# Altium PCB EDA-03517-V2-0_pcb.pcbdoc (part 1 of 5) (continued)
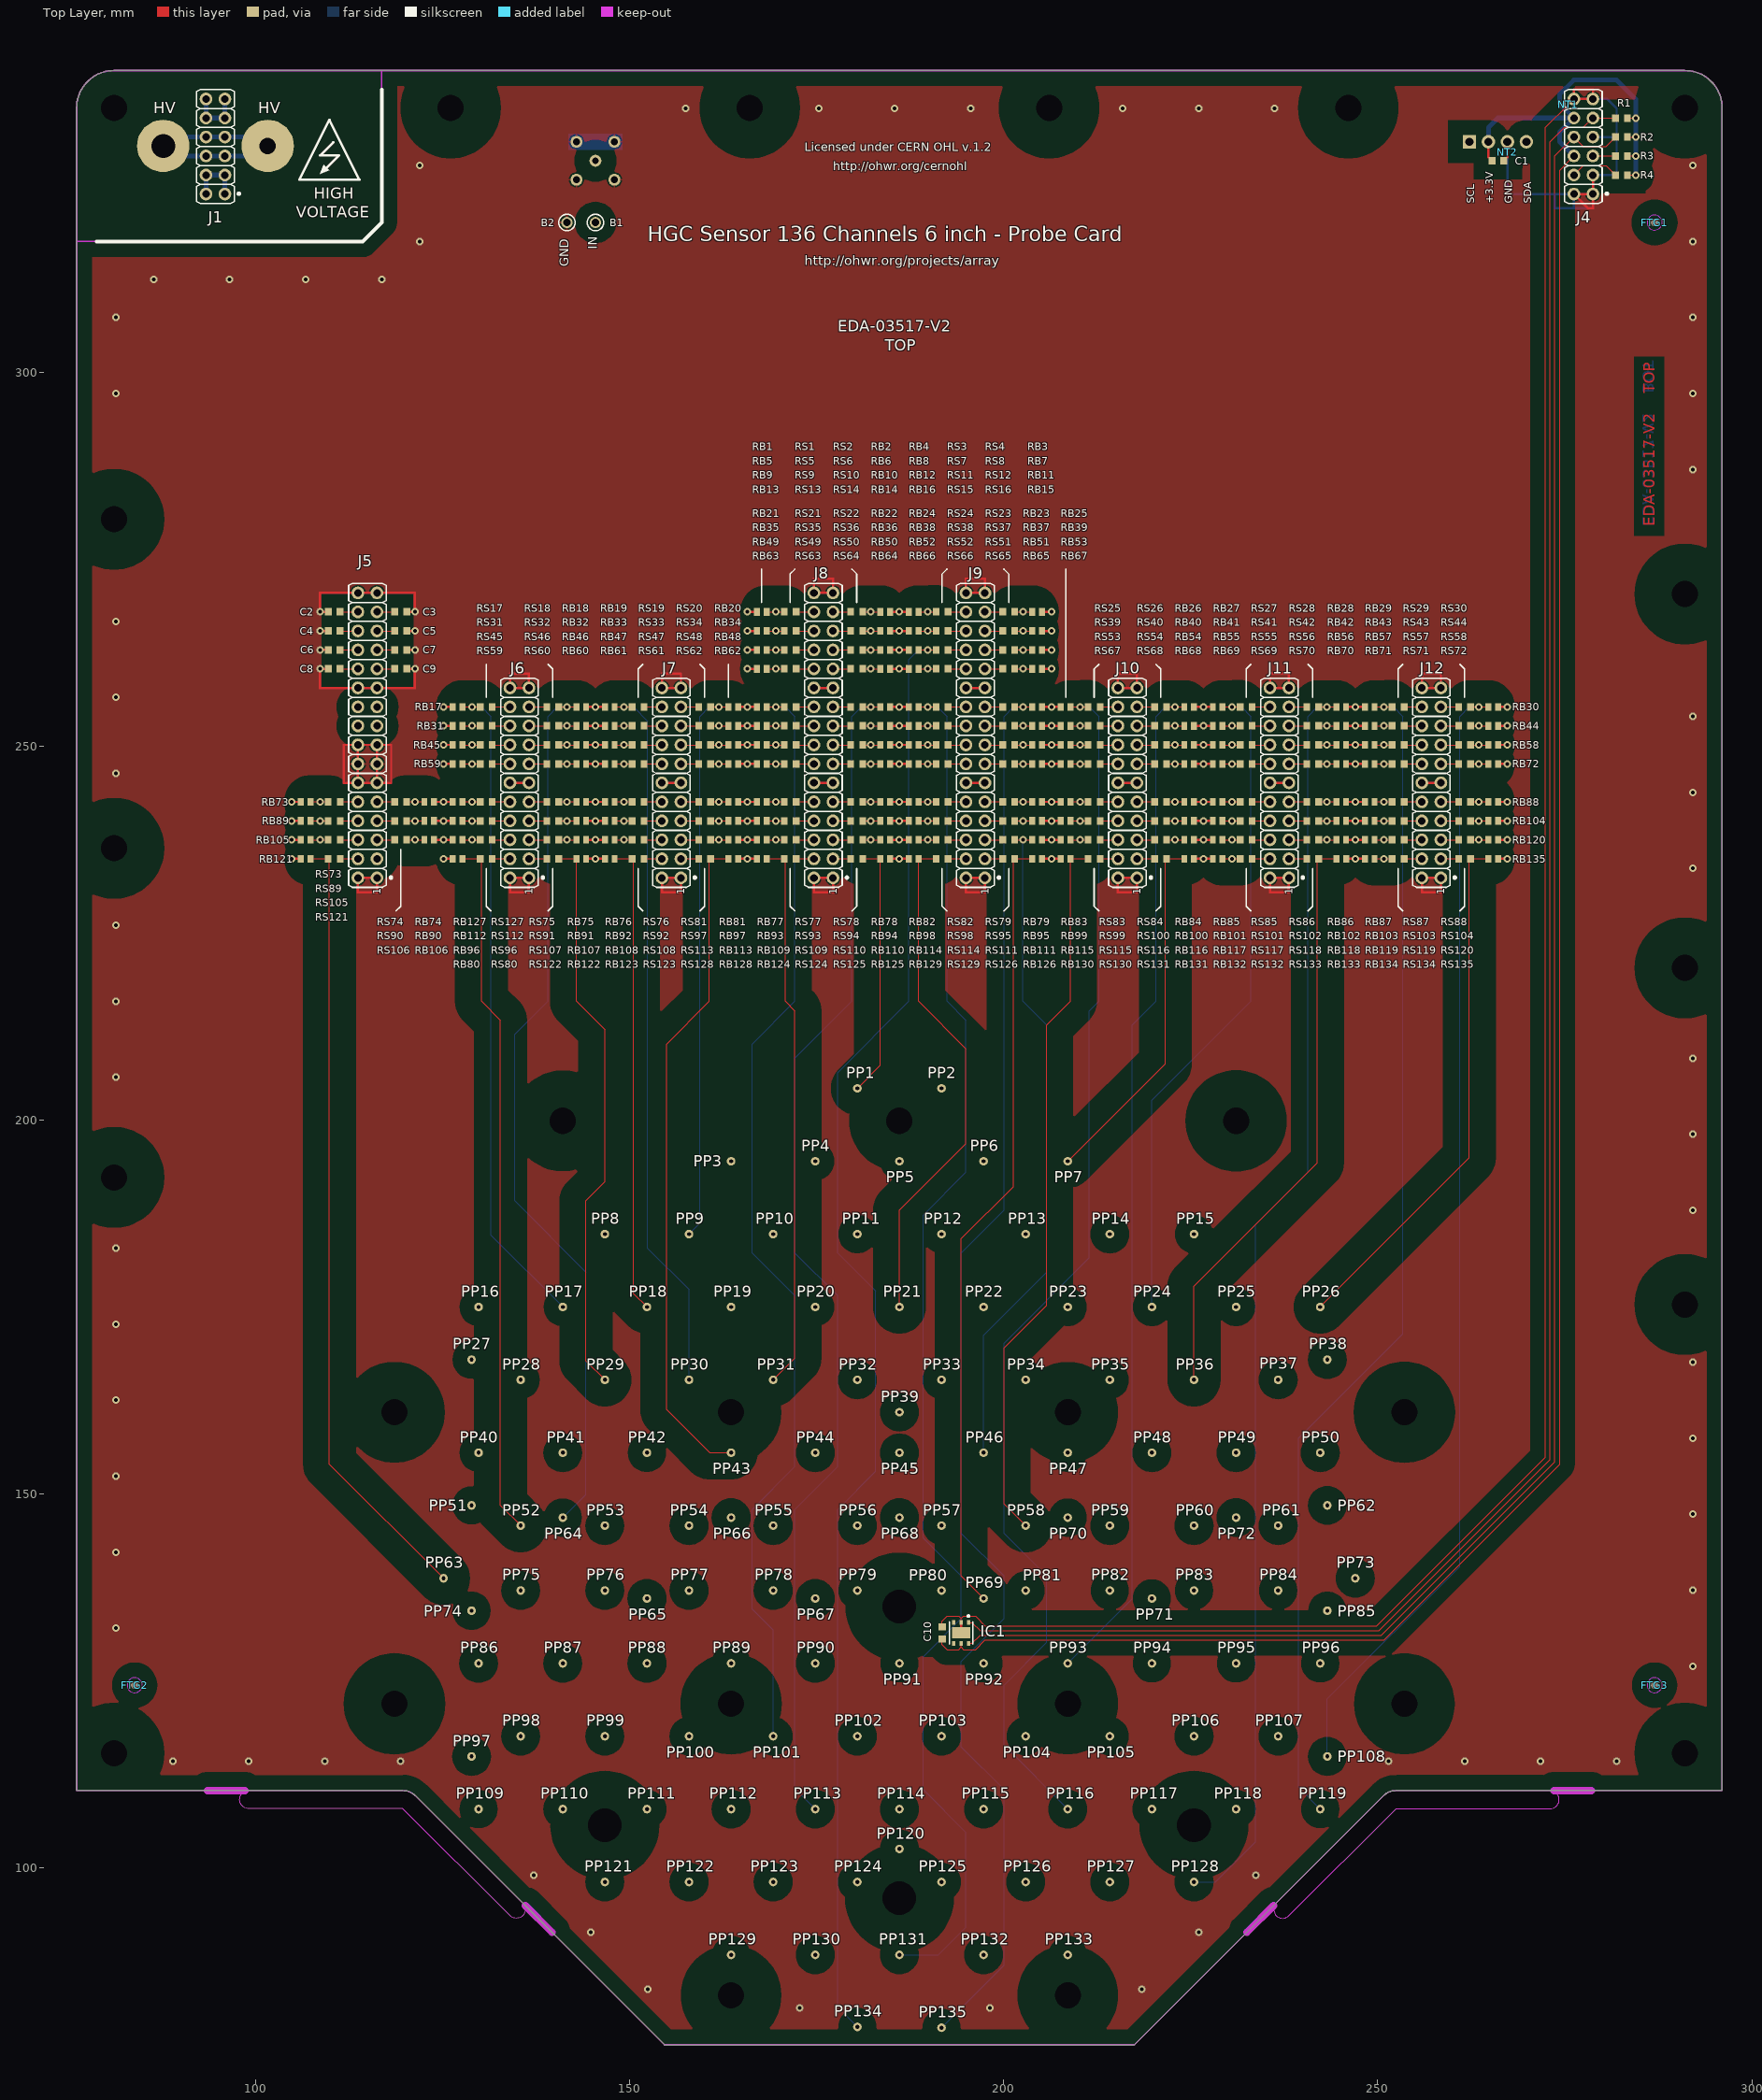
[diagram p0: Top Layer view]
## Design rules (kind name [scope] priority, off if disabled: settings)
BoardOutlineClearance "Via Tenting" [IsVia and ((SolderMaskTentingTop='False') or (SolderMaskTentingBottom='False'))] p1: gap=2500 ignorepadtopadclearanceinfootprint=FALSE
BoardOutlineClearance "Inverted Serig" [((ObjectKind = 'Text') And (IsTextInverted = 'True')) And ((AsMM(InvertedTextBorder) < 0.2) or (AsMM(TextHeight) < 1.5))] p2: gap=2500 ignorepadtopadclearanceinfootprint=FALSE
BoardOutlineClearance "Uncheck Plat" [(PadIsPlated = 'True') And ((HoleDiameter >= PadXSize_AllLayers ) OR (HoleDiameter >= PadYSize_AllLayers))] p3: gap=2500 ignorepadtopadclearanceinfootprint=FALSE
BoardOutlineClearance "Defaut Serig" [(((Layer = 'TopOverlay')  And (StrokeFont = 'Default')) or ((Layer = 'BottomOverlay')  And (StrokeFont = 'Default'))) and not IsTextInverted = 'True'] p4: gap=2500 ignorepadtopadclearanceinfootprint=FALSE
Clearance Clearance_Panel [InPadClass('Panel') vs OnLayer('Keep-Out Layer')] p1: gap=0 ignorepadtopadclearanceinfootprint=FALSE
Clearance Clearance_HV [InNet('HV') vs InNet('GND')] p2: gap=3.5 ignorepadtopadclearanceinfootprint=FALSE // HV <> GND
Clearance Clearance_PolyMount_Ext [InPadClass('Mounting') or InPolygon vs (IsTrack and InNetClass('PP')) and (OnLayer('Top Layer') or OnLayer('Bottom Layer'))] p3: gap=3.5 ignorepadtopadclearanceinfootprint=FALSE except(1: Fill-Text Poly-Text Region-Text) // Poly et Mounting  <> Pistes PP sur Top et Bot
Clearance Clearance_Poly2Mount [InPolygon vs InPadClass('Mounting')] p4: gap=5 ignorepadtopadclearanceinfootprint=FALSE
Clearance Clearance_PolyMount2All [InPadClass('Mounting') or InPolygon] p5: gap=2 ignorepadtopadclearanceinfootprint=FALSE except(1: Fill-Text Poly-Text Region-Text) // Poly et Mounting  <> All
Clearance Clearance_PP_Tracks [(InNetClass('PP') and not (IsSMTPin or isvia)) vs (InNetClass('PP') and not (IsSMTPin or isvia))] p6: gap=1.5 ignorepadtopadclearanceinfootprint=FALSE // Entre Nets PP (uniquement les Tracks)
Clearance Clearance_PP [InNetClass('PP') vs InNetClass('PP')] p7: gap=1.5 ignorepadtopadclearanceinfootprint=FALSE // Entre Nets PP
Clearance Clearance_Mires [OnLayer('Keep-Out Layer') vs HasFootprint('FIDUCIAL_TOP_S100-200')] p8: gap=0 ignorepadtopadclearanceinfootprint=FALSE except(4.9: Arc-SMDPad Track-SMDPad) // Mires to Bord de carte Keep-Out
Clearance [All] p9: gap=0.3 ignorepadtopadclearanceinfootprint=FALSE
ComponentClearance ComponentClearance_Overlapping [InComponentClass('Overlapping') or InComponentClass('NotMounted') vs InComponentClass('Overlapping')] p1: gap=0 collisioncheckmode=3 verticalgap=0 showdistances=FALSE
ComponentClearance [not InComponentClass('Overlapping')] p2: gap=0.2 collisioncheckmode=3 verticalgap=0.2 showdistances=FALSE
DiffPairsRouting [All] p1: maxlimit=0.457 minlimit=0.457 mostfreqgap=0.457 toplayer_minwidth=0.229 toplayer_maxwidth=0.229 toplayer_prefwidth=0.229 midlayer1_minwidth=0.229 midlayer1_maxwidth=0.229 midlayer1_prefwidth=0.229 midlayer2_minwidth=0.229 midlayer2_maxwidth=0.229 midlayer2_prefwidth=0.229 midlayer3_minwidth=0.229 midlayer3_maxwidth=0.229 midlayer3_prefwidth=0.229 midlayer4_minwidth=0.229 midlayer4_maxwidth=0.229 midlayer4_prefwidth=0.229 midlayer5_minwidth=0.229 midlayer5_maxwidth=0.229 midlayer5_prefwidth=0.229 midlayer6_minwidth=0.229 midlayer6_maxwidth=0.229 midlayer6_prefwidth=0.229 bottomlayer_minwidth=0.229 bottomlayer_maxwidth=0.229 bottomlayer_prefwidth=0.229 maxuncoupledlength=2.54
FabricationTestPointUsage TestPointUsage [All] p1: valid=0 allowmultiple=FALSE
FabricationTestpoint Testpoint [All] p1: side=3 testpointundercomponent=TRUE minsize=1.016 maxsize=2.54 preferedsize=1.524 minholesize=0 maxholesize=1.016 preferedholesize=0.813 testpointgrid=0.025 allowsidetop=TRUE allowsidebottom=TRUE usegrid=TRUE gridtolerance=0
Height [All] p1: minheight=0 maxheight=25 prefheight=10
HoleSize [All] p1: absolutevalues=TRUE maxlimit=5 minlimit=0.4 maxpercent=80.000 minpercent=20.000
HoleToHoleClearance [All] p1: gap=0.2 allowstackedmicrovias=TRUE
MinimumSolderMaskSliver [All] p1: minsoldermaskwidth=0.35
PermittedLayers [All] p1: toplayerpermitted=TRUE bottomlayerpermitted=TRUE
PlaneClearance [All] p1: clearance=0.5
PlaneConnect PlaneConnect_Direct [InPadClass('Mounting') or IsVia] p1: planeconnectstyle=Direct reliefexpansion=0.508 reliefentries=4 reliefconductorwidth=0.254 reliefairgap=0.254
PlaneConnect "PlaneConnect_0 > 1" [(AsMM(HoleDiameter)<1)] p2: planeconnectstyle=Relief reliefexpansion=0.3 reliefentries=4 reliefconductorwidth=0.25 reliefairgap=0.2
PlaneConnect "PlaneConnect_1 > 1.5" [(AsMM(HoleDiameter)>=1) and (AsMM(HoleDiameter)<1.5)] p3: planeconnectstyle=Relief reliefexpansion=0.3 reliefentries=4 reliefconductorwidth=0.3 reliefairgap=0.2
PlaneConnect "PlaneConnect_1.5 > 2" [(AsMM(HoleDiameter)>=1.5) and (AsMM(HoleDiameter)<2)] p4: planeconnectstyle=Relief reliefexpansion=0.3 reliefentries=4 reliefconductorwidth=0.4 reliefairgap=0.2
PlaneConnect [All] p5: planeconnectstyle=Relief reliefexpansion=0.3 reliefentries=4 reliefconductorwidth=0.5 reliefairgap=0.2
PolygonConnect PolygonConnect_Direct [InPadClass('Mounting') or IsVia] p1: connectstyle=Direct reliefconductorwidth=0.254 reliefentries=4 polygonreliefangle="90 Angle" airgapwidth=0.254
PolygonConnect "PolygonConnect_0 > 1" [(AsMM(HoleDiameter)<1)] p2: connectstyle=Relief reliefconductorwidth=0.25 reliefentries=4 polygonreliefangle="90 Angle" airgapwidth=0.2
PolygonConnect "PolygonConnect_1 > 1.5" [(AsMM(HoleDiameter)>=1) and (AsMM(HoleDiameter)<1.5)] p3: connectstyle=Relief reliefconductorwidth=0.3 reliefentries=4 polygonreliefangle="90 Angle" airgapwidth=0.2
PolygonConnect "PolygonConnect_1.5 > 2" [(AsMM(HoleDiameter)>=1.5) and (AsMM(HoleDiameter)<2)] p4: connectstyle=Relief reliefconductorwidth=0.4 reliefentries=4 polygonreliefangle="90 Angle" airgapwidth=0.2
PolygonConnect [All] p5: connectstyle=Relief reliefconductorwidth=0.5 reliefentries=4 polygonreliefangle="90 Angle" airgapwidth=0.2
RoomDefinition ProbeCard [InComponentClass('ProbeCard')] p1: confinementstyle=ConfineIn formatcopy=TRUE lockcomponents=FALSE outline 80.645,77.47 290.195,77.47 290.195,348.615 80.645,348.615
RoutingVias RoutingVias_NoNet [Not IsElectrical] p1: holewidth=0 width=0 viastyle="Through Hole" minholewidth=0 minwidth=0 maxholewidth=0 maxwidth=0
RoutingVias [All] p2: holewidth=0.5 width=1 viastyle="Through Hole" minholewidth=0.5 minwidth=1 maxholewidth=0.5 maxwidth=1
ShortCircuit ShortCircuit_NetTie [InNet('GND') vs InNet('VSS')or InNet('CGND')] p1: allowed=TRUE
ShortCircuit [All] p2: allowed=FALSE
SilkToSilkClearance [All] p1: silktosilkclearance=0.2
SilkToSolderMaskClearance SilkToSolderMaskClearanceVias [IsVia vs IsText] p1: minsilkscreentomaskgap=0 clearancetoexposedcopper=TRUE
SilkToSolderMaskClearance SilkscreenOverComponentPads [IsPad] p2: minsilkscreentomaskgap=0.225 clearancetoexposedcopper=TRUE
SolderMaskExpansion [All] p1: expansion=0
ViasUnderSMD [Not HasFootprint('Net Tie')] p1: allowed=FALSE
Width [All] p1: maxlimit=2.54 minlimit=0.152 preferedwidth=0.152
17 further rules are at their usual default settings.

## Classes and differential pairs
pad class Panel: Free-P80NP
pad class Mounting: Free-D350NP Free-P450NP
component class Overlapping: J4
component class NotMounted: NT1 NT2 R1 R2 R3 R4 RB1 RB2 RB3 RB4 RB5 RB6 RB7 RB8 RB9 RB10 RB11 RB12 RB13 RB14 RB15 RB16 RB17 RB18 RB19 RB20 RB21 RB22 RB23 RB24 RB25 RB26 RB27 RB28 RB29 RB30 RB31 RB32 RB33 RB34 RB35 RB36 RB37 RB38 RB39 RB40 RB41 RB42 RB43 RB44 RB45 RB46 RB47 RB48 RB49 RB50 RB51 RB52 RB53 RB54 RB55 RB56 RB57 RB58 RB59 RB60 RB61 RB62 RB63 RB64 RB65 RB66 RB67 RB68 RB69 RB70 RB71 RB72 RB73 RB74 RB75 RB76 RB77 RB78 RB79 RB80 RB81 RB82 RB83 RB84 RB85 RB86 RB87 RB88 RB89 RB90 RB91 RB92 RB93 RB94 RB95 RB96 RB97 RB98 RB99 RB100 RB101 RB102 RB103 RB104 RB105 RB106 RB107 RB108 RB109 RB110 RB111 RB112 RB113 RB114 RB115 RB116 RB117 RB118 RB119 RB120 RB121 RB122 RB123 RB124 RB125 RB126 RB127 RB128 RB129 RB130 RB131 RB132 RB133 RB134 RB135
net class PP: NetPP1_1 NetPP2_1 NetPP3_1 NetPP4_1 NetPP5_1 NetPP6_1 NetPP7_1 NetPP8_1 NetPP9_1 NetPP10_1 NetPP11_1 NetPP12_1 NetPP13_1 NetPP14_1 NetPP15_1 NetPP16_1 NetPP17_1 NetPP18_1 NetPP19_1 NetPP20_1 NetPP21_1 NetPP22_1 NetPP23_1 NetPP24_1 NetPP25_1 NetPP26_1 NetPP27_1 NetPP28_1 NetPP29_1 NetPP30_1 NetPP31_1 NetPP32_1 NetPP33_1 NetPP34_1 NetPP35_1 NetPP36_1 NetPP37_1 NetPP38_1 NetPP39_1 NetPP40_1 NetPP41_1 NetPP42_1 NetPP43_1 NetPP44_1 NetPP45_1 NetPP46_1 NetPP47_1 NetPP48_1 NetPP49_1 NetPP50_1 NetPP51_1 NetPP52_1 NetPP53_1 NetPP54_1 NetPP55_1 NetPP56_1 NetPP57_1 NetPP58_1 NetPP59_1 NetPP60_1 NetPP61_1 NetPP62_1 NetPP63_1 NetPP64_1 NetPP65_1 NetPP66_1 NetPP67_1 NetPP68_1 NetPP69_1 NetPP70_1 NetPP71_1 NetPP72_1 NetPP73_1 NetPP74_1 NetPP75_1 NetPP76_1 NetPP77_1 NetPP78_1 NetPP79_1 NetPP80_1 NetPP81_1 NetPP82_1 NetPP83_1 NetPP84_1 NetPP85_1 NetPP86_1 NetPP87_1 NetPP88_1 NetPP89_1 NetPP90_1 NetPP91_1 NetPP92_1 NetPP93_1 NetPP94_1 NetPP95_1 NetPP96_1 NetPP97_1 NetPP98_1 NetPP99_1 NetPP100_1 NetPP101_1 NetPP102_1 NetPP103_1 NetPP104_1 NetPP105_1 NetPP106_1 NetPP107_1 NetPP108_1 NetPP109_1 NetPP110_1 NetPP111_1 NetPP112_1 NetPP113_1 NetPP114_1 NetPP115_1 NetPP116_1 NetPP117_1 NetPP118_1 NetPP119_1 NetPP120_1 NetPP121_1 NetPP122_1 NetPP123_1 NetPP124_1 NetPP125_1 NetPP126_1 NetPP127_1 NetPP128_1 NetPP129_1 NetPP130_1 NetPP131_1 NetPP132_1 NetPP133_1 NetPP134_1 NetPP135_1

## Components (designator, comment, footprint, x,y, rotation, side; value= is the part's Value field where it differs from the comment)
B1 "IN" c150h100 145.415,320.04 r0 top
B2 "GND" c150h100 141.605,320.04 r0 top
C1 "100nF" CAPC1608X87N 266.065,328.295 r180 top
C2 "1pF" CAPC1608X87N 110.49,267.97 r180 top
C3 "2.2pF" CAPC1608X87N 119.38,267.97 r0 top
C4 "4.7pF" CAPC1608X87N 110.49,265.43 r180 top
C5 "10pF" CAPC1608X87N 119.38,265.43 r0 top
C6 "22pF" CAPC1608X87N 110.49,262.89 r180 top
C7 "47pF" CAPC1608X87N 119.38,262.89 r0 top
C8 "100pF" CAPC1608X87N 110.49,260.35 r180 top
C9 "220pF" CAPC1608X87N 119.38,260.35 r0 top
C10 "100nF" CAPC1608X87N 191.77,131.445 r270 top
FTG1 "Use only in PCB" FIDUCIAL_TOP_C100-200 287.02,320.04 r0 top
FTG2 "Use only in PCB" FIDUCIAL_TOP_C100-200 83.82,124.46 r0 top
FTG3 "Use only in PCB" FIDUCIAL_TOP_C100-200 287.02,124.46 r0 top
IC1 "SHT25" SENSIRION_SHT2X 194.31,131.445 r90 top
J1 "Header 12" SAMTEC_MTLW-106-07-L-D-250 94.615,330.2 r90 top
J2 "LEMO 00" LEMO_EPK.00.250.NTN 145.415,328.295 r90 bottom
J3 "Socket 4" SAMTEC_SSW-104-02-L-S-RA 266.065,330.835 r180 bottom
J4 "Header 12" SAMTEC_MTLW-106-07-L-D-250 277.495,330.2 r90 top
J5 "Header 32" SAMTEC_MTLW-116-07-L-D-250 114.935,251.46 r90 top
J6 "Header 22" SAMTEC_MTLW-111-07-L-D-250 135.255,245.11 r90 top
J7 "Header 22" SAMTEC_MTLW-111-07-L-D-250 155.575,245.11 r90 top
J8 "Header 32" SAMTEC_MTLW-116-07-L-D-250 175.895,251.46 r90 top
J9 "Header 32" SAMTEC_MTLW-116-07-L-D-250 196.215,251.46 r90 top
J10 "Header 22" SAMTEC_MTLW-111-07-L-D-250 216.535,245.11 r90 top
J11 "Header 22" SAMTEC_MTLW-111-07-L-D-250 236.855,245.11 r90 top
J12 "Header 22" SAMTEC_MTLW-111-07-L-D-250 257.175,245.11 r90 top
NT1 "Net Tie" "Net Tie" 275.41,335.735 r45 top net-tie
NT2 "Net Tie" "Net Tie" 267.335,329.565 r270 top net-tie
PP1 "Probe" MILL-MAX_0985-1-15-20-71-14-11-0 180.429,204.261 r0 bottom
PP2 "Probe" MILL-MAX_0985-1-15-20-71-14-11-0 191.681,204.261 r0 bottom
PP3 "Probe" MILL-MAX_0985-1-15-20-71-14-11-0 163.551,194.516 r0 bottom
PP4 "Probe" MILL-MAX_0985-1-15-20-71-14-11-0 174.803,194.516 r0 bottom
PP5 "Probe" MILL-MAX_0985-1-15-20-71-14-11-0 186.055,194.516 r0 bottom
PP6 "Probe" MILL-MAX_0985-1-15-20-71-14-11-0 197.307,194.516 r0 bottom
PP7 "Probe" MILL-MAX_0985-1-15-20-71-14-11-0 208.559,194.516 r0 bottom
PP8 "Probe" MILL-MAX_0985-1-15-20-71-14-11-0 146.673,184.772 r0 bottom
PP9 "Probe" MILL-MAX_0985-1-15-20-71-14-11-0 157.925,184.772 r0 bottom
PP10 "Probe" MILL-MAX_0985-1-15-20-71-14-11-0 169.177,184.772 r0 bottom
PP11 "Probe" MILL-MAX_0985-1-15-20-71-14-11-0 180.429,184.772 r0 bottom
PP12 "Probe" MILL-MAX_0985-1-15-20-71-14-11-0 191.681,184.772 r0 bottom
PP13 "Probe" MILL-MAX_0985-1-15-20-71-14-11-0 202.933,184.772 r0 bottom
PP14 "Probe" MILL-MAX_0985-1-15-20-71-14-11-0 214.185,184.772 r0 bottom
PP15 "Probe" MILL-MAX_0985-1-15-20-71-14-11-0 225.437,184.772 r0 bottom
PP16 "Probe" MILL-MAX_0985-1-15-20-71-14-11-0 129.795,175.027 r0 bottom
PP17 "Probe" MILL-MAX_0985-1-15-20-71-14-11-0 141.047,175.027 r0 bottom
PP18 "Probe" MILL-MAX_0985-1-15-20-71-14-11-0 152.299,175.027 r0 bottom
PP19 "Probe" MILL-MAX_0985-1-15-20-71-14-11-0 163.551,175.027 r0 bottom
PP20 "Probe" MILL-MAX_0985-1-15-20-71-14-11-0 174.803,175.027 r0 bottom
PP21 "Probe" MILL-MAX_0985-1-15-20-71-14-11-0 186.055,175.027 r0 bottom
PP22 "Probe" MILL-MAX_0985-1-15-20-71-14-11-0 197.307,175.027 r0 bottom
PP23 "Probe" MILL-MAX_0985-1-15-20-71-14-11-0 208.559,175.027 r0 bottom
PP24 "Probe" MILL-MAX_0985-1-15-20-71-14-11-0 219.811,175.027 r0 bottom
PP25 "Probe" MILL-MAX_0985-1-15-20-71-14-11-0 231.063,175.027 r0 bottom
PP26 "Probe" MILL-MAX_0985-1-15-20-71-14-11-0 242.315,175.027 r0 bottom
PP27 "Probe" MILL-MAX_0985-1-15-20-71-14-11-0 128.852,167.986 r0 bottom
PP28 "Probe" MILL-MAX_0985-1-15-20-71-14-11-0 135.421,165.283 r0 bottom
PP29 "Probe" MILL-MAX_0985-1-15-20-71-14-11-0 146.673,165.283 r0 bottom
PP30 "Probe" MILL-MAX_0985-1-15-20-71-14-11-0 157.925,165.283 r0 bottom
PP31 "Probe" MILL-MAX_0985-1-15-20-71-14-11-0 169.177,165.283 r0 bottom
PP32 "Probe" MILL-MAX_0985-1-15-20-71-14-11-0 180.429,165.283 r0 bottom
PP33 "Probe" MILL-MAX_0985-1-15-20-71-14-11-0 191.681,165.283 r0 bottom
PP34 "Probe" MILL-MAX_0985-1-15-20-71-14-11-0 202.933,165.283 r0 bottom
PP35 "Probe" MILL-MAX_0985-1-15-20-71-14-11-0 214.185,165.283 r0 bottom
PP36 "Probe" MILL-MAX_0985-1-15-20-71-14-11-0 225.437,165.283 r0 bottom
PP37 "Probe" MILL-MAX_0985-1-15-20-71-14-11-0 236.689,165.283 r0 bottom
PP38 "Probe" MILL-MAX_0985-1-15-20-71-14-11-0 243.258,167.986 r0 bottom
PP39 "Probe" MILL-MAX_0985-1-15-20-71-14-11-0 186.055,160.96 r0 bottom
PP40 "Probe" MILL-MAX_0985-1-15-20-71-14-11-0 129.795,155.538 r0 bottom
PP41 "Probe" MILL-MAX_0985-1-15-20-71-14-11-0 141.047,155.538 r0 bottom
PP42 "Probe" MILL-MAX_0985-1-15-20-71-14-11-0 152.299,155.538 r0 bottom
PP43 "Probe" MILL-MAX_0985-1-15-20-71-14-11-0 163.551,155.538 r0 bottom
PP44 "Probe" MILL-MAX_0985-1-15-20-71-14-11-0 174.803,155.538 r0 bottom
PP45 "Probe" MILL-MAX_0985-1-15-20-71-14-11-0 186.055,155.538 r0 bottom
PP46 "Probe" MILL-MAX_0985-1-15-20-71-14-11-0 197.307,155.538 r0 bottom
PP47 "Probe" MILL-MAX_0985-1-15-20-71-14-11-0 208.559,155.538 r0 bottom
PP48 "Probe" MILL-MAX_0985-1-15-20-71-14-11-0 219.811,155.538 r0 bottom
PP49 "Probe" MILL-MAX_0985-1-15-20-71-14-11-0 231.063,155.538 r0 bottom
PP50 "Probe" MILL-MAX_0985-1-15-20-71-14-11-0 242.315,155.538 r0 bottom
PP51 "Probe" MILL-MAX_0985-1-15-20-71-14-11-0 128.852,148.497 r0 bottom
PP52 "Probe" MILL-MAX_0985-1-15-20-71-14-11-0 135.421,145.794 r0 bottom
PP53 "Probe" MILL-MAX_0985-1-15-20-71-14-11-0 146.673,145.794 r0 bottom
PP54 "Probe" MILL-MAX_0985-1-15-20-71-14-11-0 157.925,145.794 r0 bottom
PP55 "Probe" MILL-MAX_0985-1-15-20-71-14-11-0 169.177,145.794 r0 bottom
PP56 "Probe" MILL-MAX_0985-1-15-20-71-14-11-0 180.429,145.794 r0 bottom
PP57 "Probe" MILL-MAX_0985-1-15-20-71-14-11-0 191.681,145.794 r0 bottom
PP58 "Probe" MILL-MAX_0985-1-15-20-71-14-11-0 202.933,145.794 r0 bottom
PP59 "Probe" MILL-MAX_0985-1-15-20-71-14-11-0 214.185,145.794 r0 bottom
PP60 "Probe" MILL-MAX_0985-1-15-20-71-14-11-0 225.437,145.794 r0 bottom
PP61 "Probe" MILL-MAX_0985-1-15-20-71-14-11-0 236.689,145.794 r0 bottom
PP62 "Probe" MILL-MAX_0985-1-15-20-71-14-11-0 243.258,148.497 r0 bottom
PP63 "Probe" MILL-MAX_0985-1-15-20-71-14-11-0 125.112,138.753 r0 bottom
PP64 "Probe" MILL-MAX_0985-1-15-20-71-14-11-0 141.047,146.864 r0 bottom
PP65 "Probe" MILL-MAX_0985-1-15-20-71-14-11-0 152.299,136.049 r0 bottom
PP66 "Probe" MILL-MAX_0985-1-15-20-71-14-11-0 163.551,146.864 r0 bottom
PP67 "Probe" MILL-MAX_0985-1-15-20-71-14-11-0 174.803,136.049 r0 bottom
PP68 "Probe" MILL-MAX_0985-1-15-20-71-14-11-0 186.055,146.864 r0 bottom
PP69 "Probe" MILL-MAX_0985-1-15-20-71-14-11-0 197.307,136.049 r0 bottom
PP70 "Probe" MILL-MAX_0985-1-15-20-71-14-11-0 208.559,146.864 r0 bottom
PP71 "Probe" MILL-MAX_0985-1-15-20-71-14-11-0 219.811,136.049 r0 bottom
PP72 "Probe" MILL-MAX_0985-1-15-20-71-14-11-0 231.063,146.864 r0 bottom
PP73 "Probe" MILL-MAX_0985-1-15-20-71-14-11-0 246.998,138.753 r0 bottom
PP74 "Probe" MILL-MAX_0985-1-15-20-71-14-11-0 128.852,134.415 r0 bottom
PP75 "Probe" MILL-MAX_0985-1-15-20-71-14-11-0 135.421,137.119 r0 bottom
PP76 "Probe" MILL-MAX_0985-1-15-20-71-14-11-0 146.673,137.119 r0 bottom
PP77 "Probe" MILL-MAX_0985-1-15-20-71-14-11-0 157.925,137.119 r0 bottom
PP78 "Probe" MILL-MAX_0985-1-15-20-71-14-11-0 169.177,137.119 r0 bottom
PP79 "Probe" MILL-MAX_0985-1-15-20-71-14-11-0 180.429,137.119 r0 bottom
PP80 "Probe" MILL-MAX_0985-1-15-20-71-14-11-0 191.681,137.119 r0 bottom
PP81 "Probe" MILL-MAX_0985-1-15-20-71-14-11-0 202.933,137.119 r0 bottom
PP82 "Probe" MILL-MAX_0985-1-15-20-71-14-11-0 214.185,137.119 r0 bottom
PP83 "Probe" MILL-MAX_0985-1-15-20-71-14-11-0 225.437,137.119 r0 bottom
PP84 "Probe" MILL-MAX_0985-1-15-20-71-14-11-0 236.689,137.119 r0 bottom
PP85 "Probe" MILL-MAX_0985-1-15-20-71-14-11-0 243.258,134.415 r0 bottom
PP86 "Probe" MILL-MAX_0985-1-15-20-71-14-11-0 129.795,127.375 r0 bottom
PP87 "Probe" MILL-MAX_0985-1-15-20-71-14-11-0 141.047,127.375 r0 bottom
PP88 "Probe" MILL-MAX_0985-1-15-20-71-14-11-0 152.299,127.375 r0 bottom
PP89 "Probe" MILL-MAX_0985-1-15-20-71-14-11-0 163.551,127.375 r0 bottom
PP90 "Probe" MILL-MAX_0985-1-15-20-71-14-11-0 174.803,127.375 r0 bottom
PP91 "Probe" MILL-MAX_0985-1-15-20-71-14-11-0 186.055,127.375 r0 bottom
PP92 "Probe" MILL-MAX_0985-1-15-20-71-14-11-0 197.307,127.375 r0 bottom
PP93 "Probe" MILL-MAX_0985-1-15-20-71-14-11-0 208.559,127.375 r0 bottom
PP94 "Probe" MILL-MAX_0985-1-15-20-71-14-11-0 219.811,127.375 r0 bottom
PP95 "Probe" MILL-MAX_0985-1-15-20-71-14-11-0 231.063,127.375 r0 bottom
PP96 "Probe" MILL-MAX_0985-1-15-20-71-14-11-0 242.315,127.375 r0 bottom
PP97 "Probe" MILL-MAX_0985-1-15-20-71-14-11-0 128.852,114.926 r0 bottom
PP98 "Probe" MILL-MAX_0985-1-15-20-71-14-11-0 135.421,117.63 r0 bottom
PP99 "Probe" MILL-MAX_0985-1-15-20-71-14-11-0 146.673,117.63 r0 bottom
PP100 "Probe" MILL-MAX_0985-1-15-20-71-14-11-0 157.925,117.63 r0 bottom
PP101 "Probe" MILL-MAX_0985-1-15-20-71-14-11-0 169.177,117.63 r0 bottom
PP102 "Probe" MILL-MAX_0985-1-15-20-71-14-11-0 180.429,117.63 r0 bottom
PP103 "Probe" MILL-MAX_0985-1-15-20-71-14-11-0 191.681,117.63 r0 bottom
PP104 "Probe" MILL-MAX_0985-1-15-20-71-14-11-0 202.933,117.63 r0 bottom
PP105 "Probe" MILL-MAX_0985-1-15-20-71-14-11-0 214.185,117.63 r0 bottom